# Altium PCB PCB1.PcbDoc
Units mm, origin at the board's own origin, x right, y up, seen from the top; angles counter-clockwise.
Board outline 143.29 x 161.1 mm, 2 copper layers (Top Layer, Bottom Layer); 137 components, 153 nets, 545 pads, 69 vias.
Unrouted connection lines stored in the file: 78.
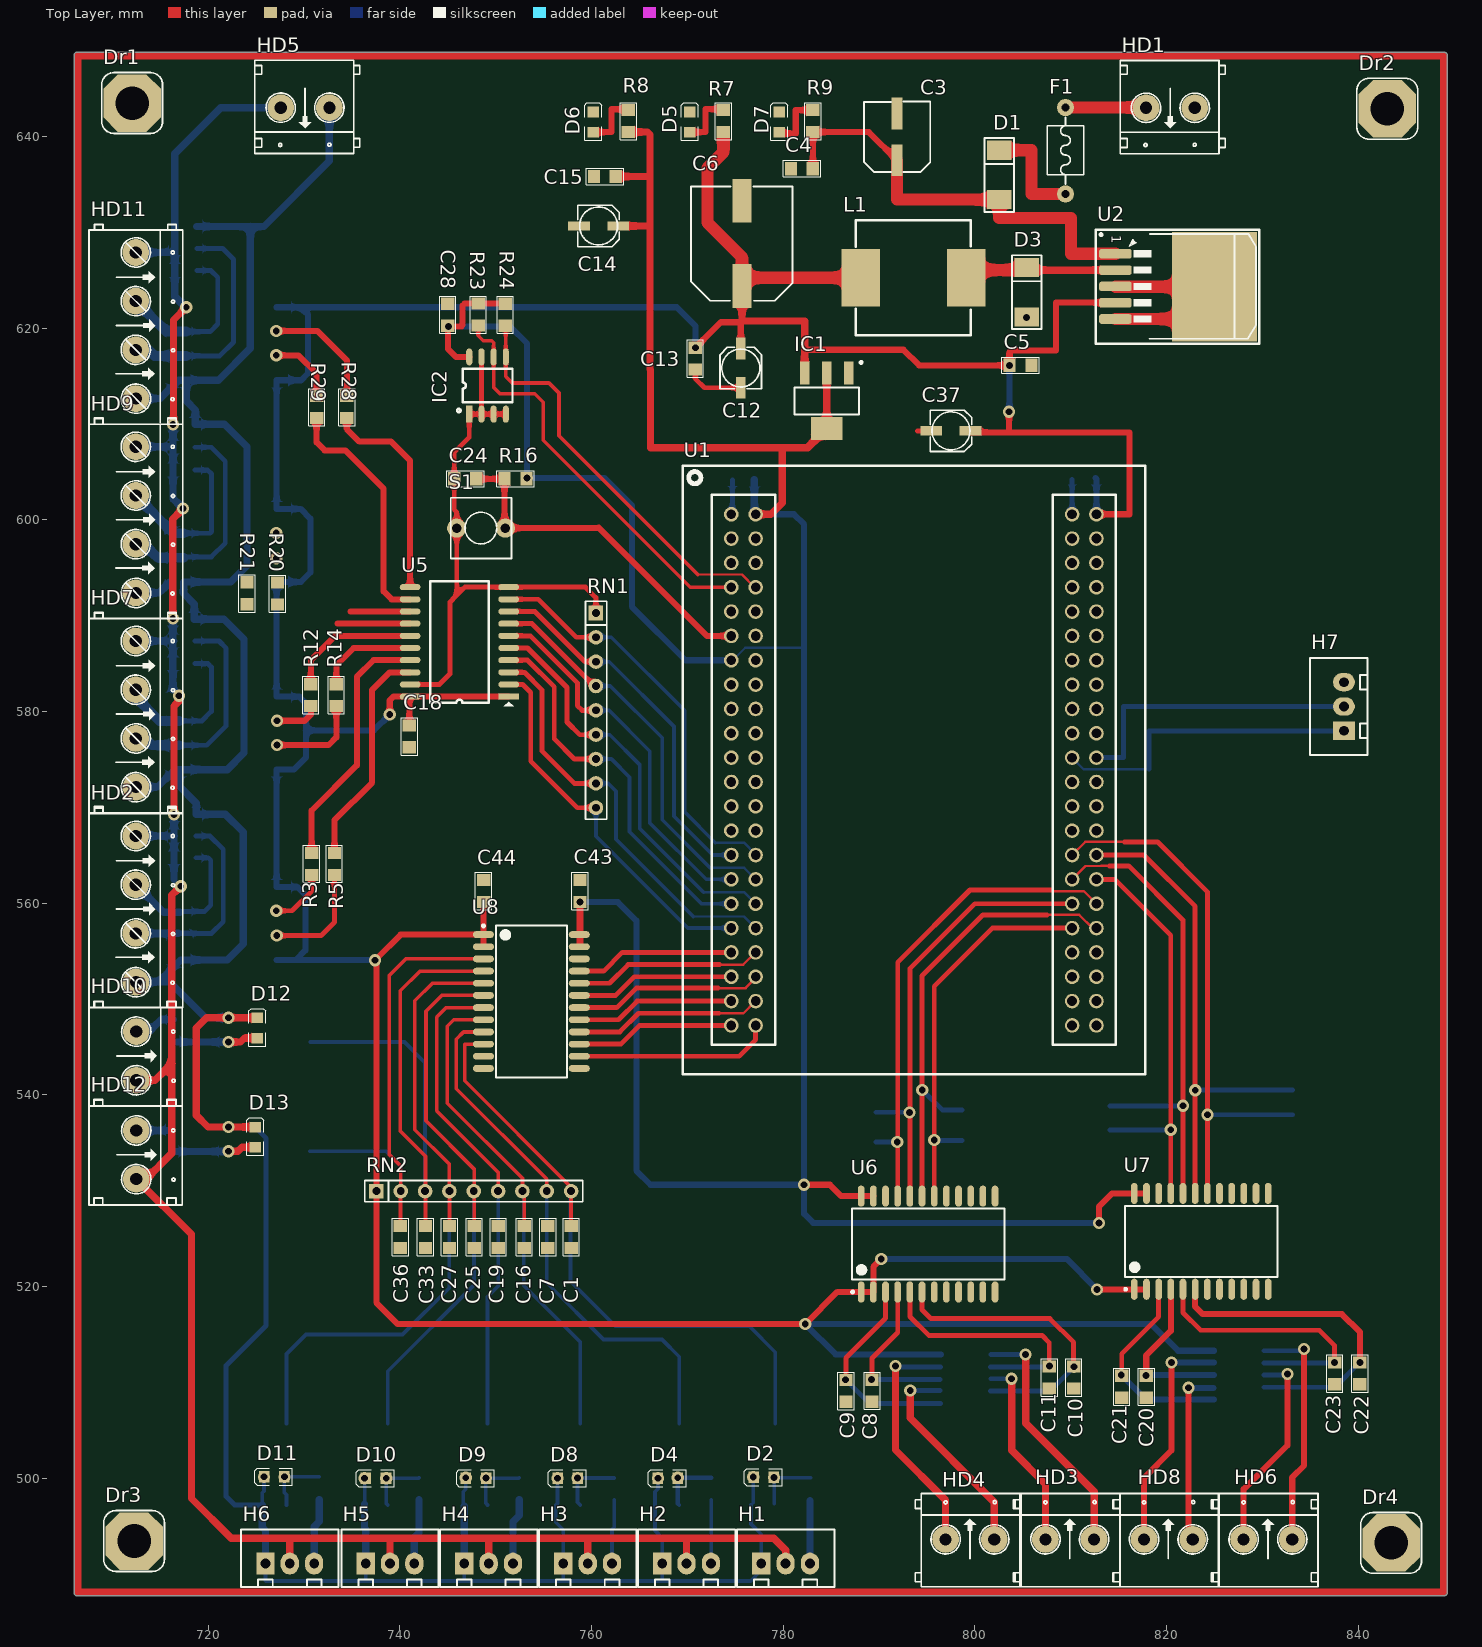
[diagram p0: Top Layer view]
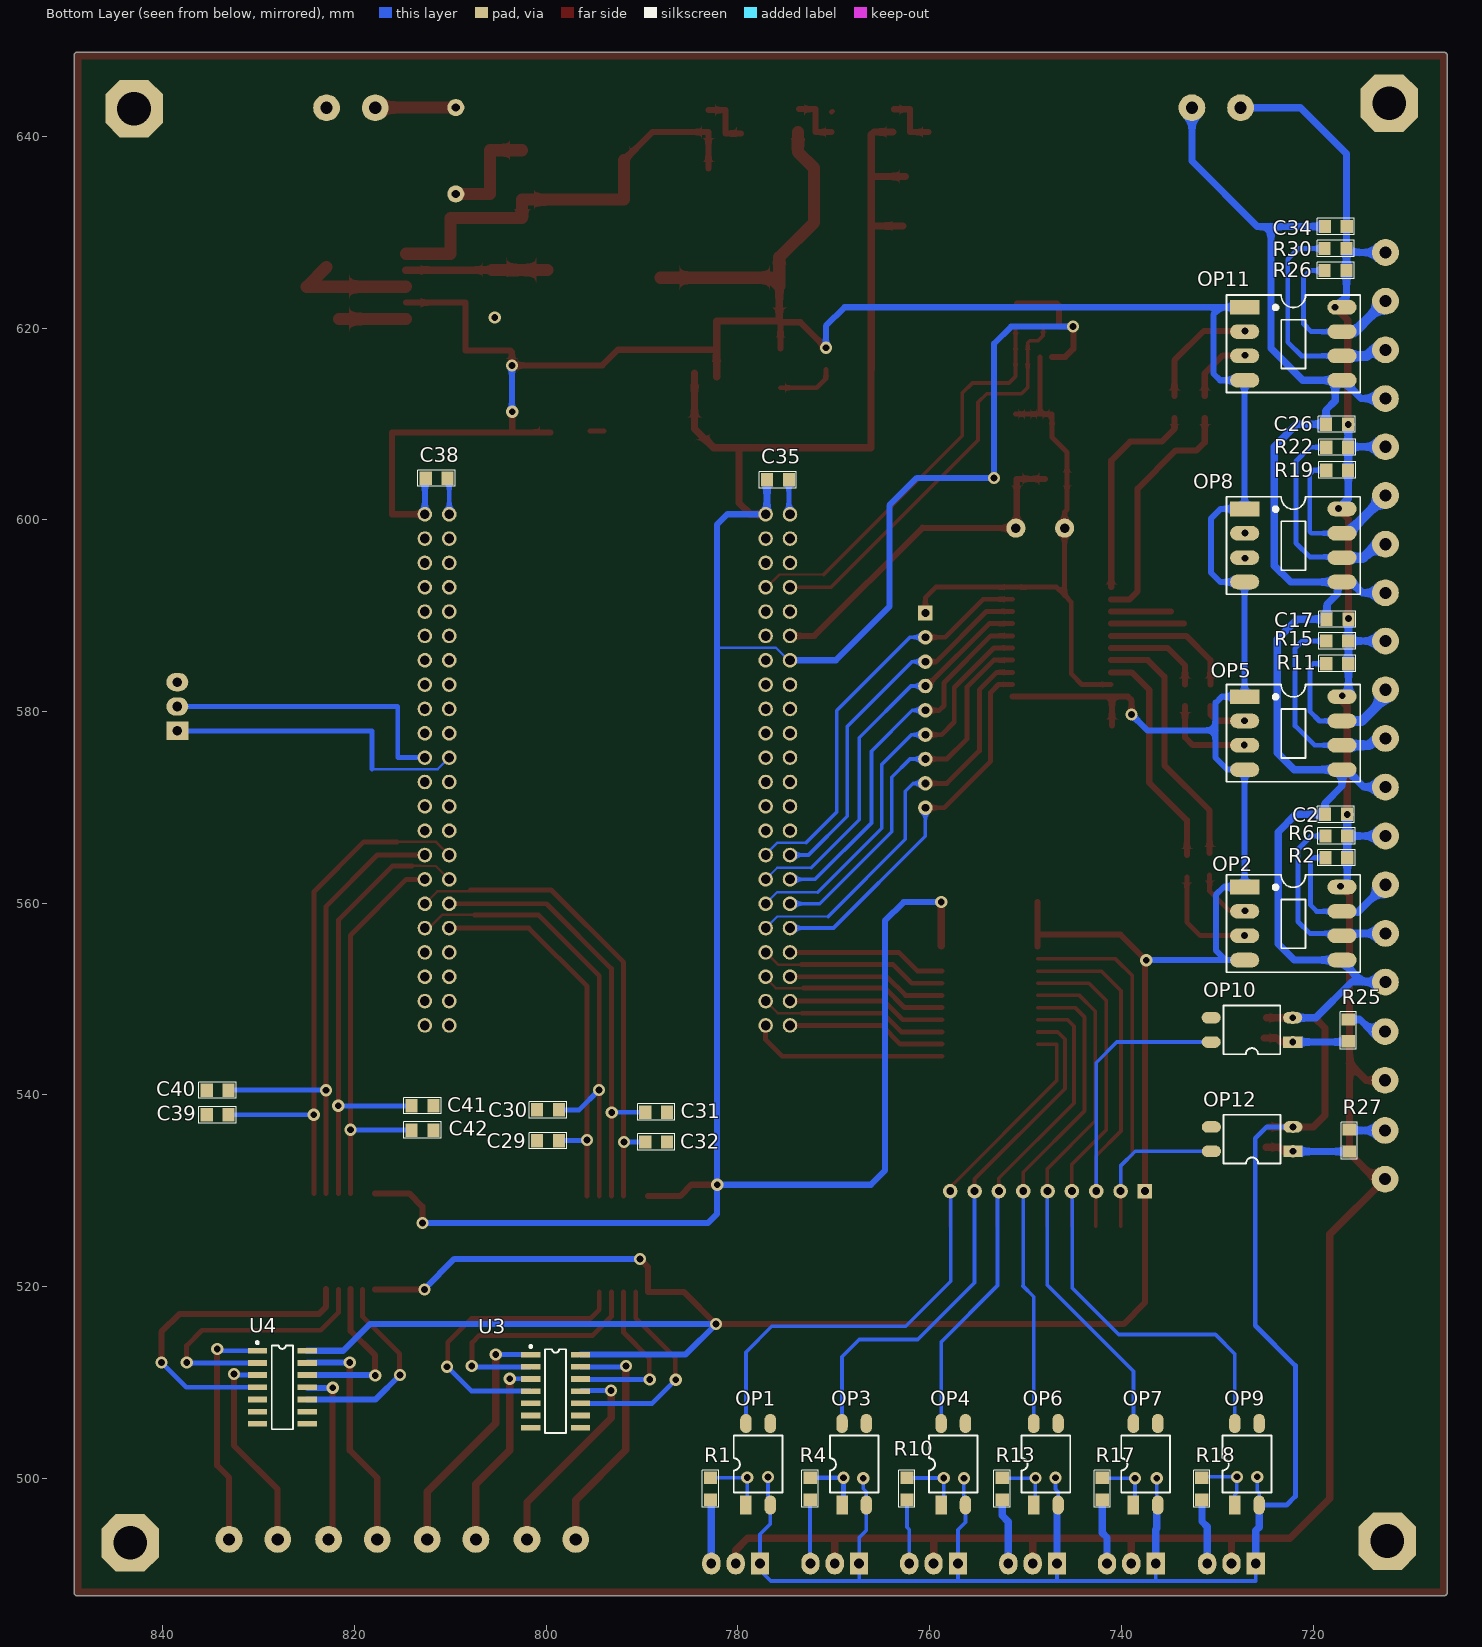
[diagram p1: Bottom Layer view, seen from below]
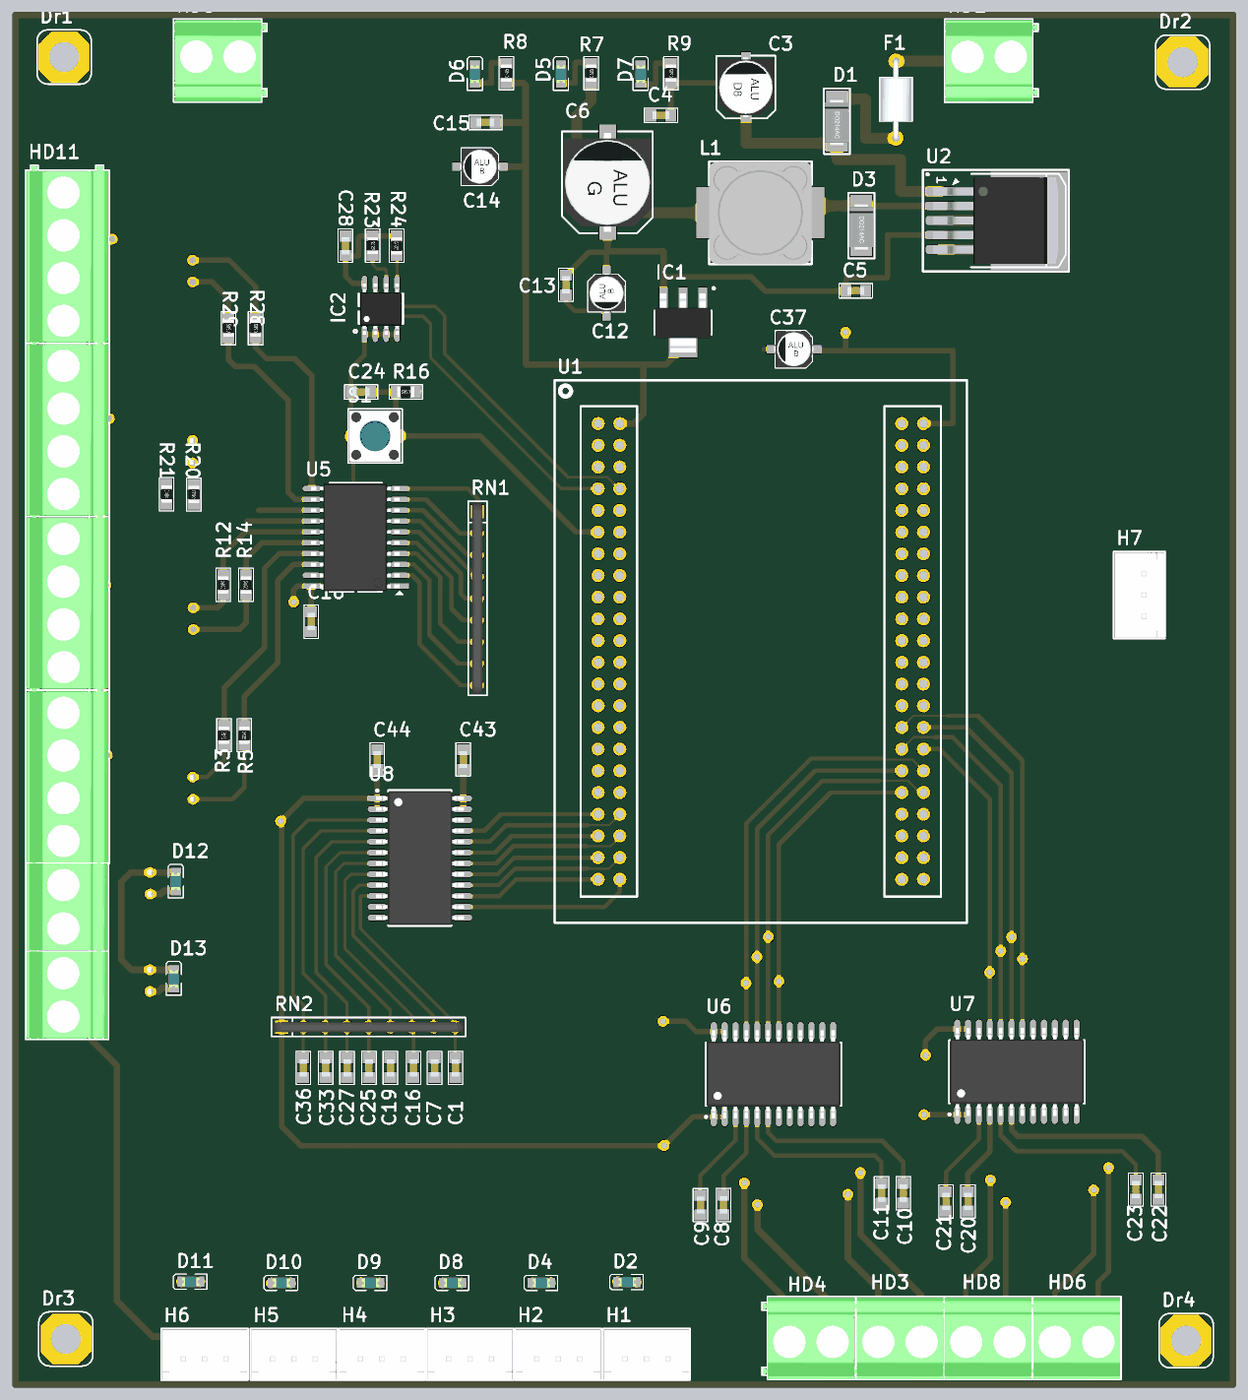
[diagram p2: 3D render of the assembled board from above, using the file's embedded part models]
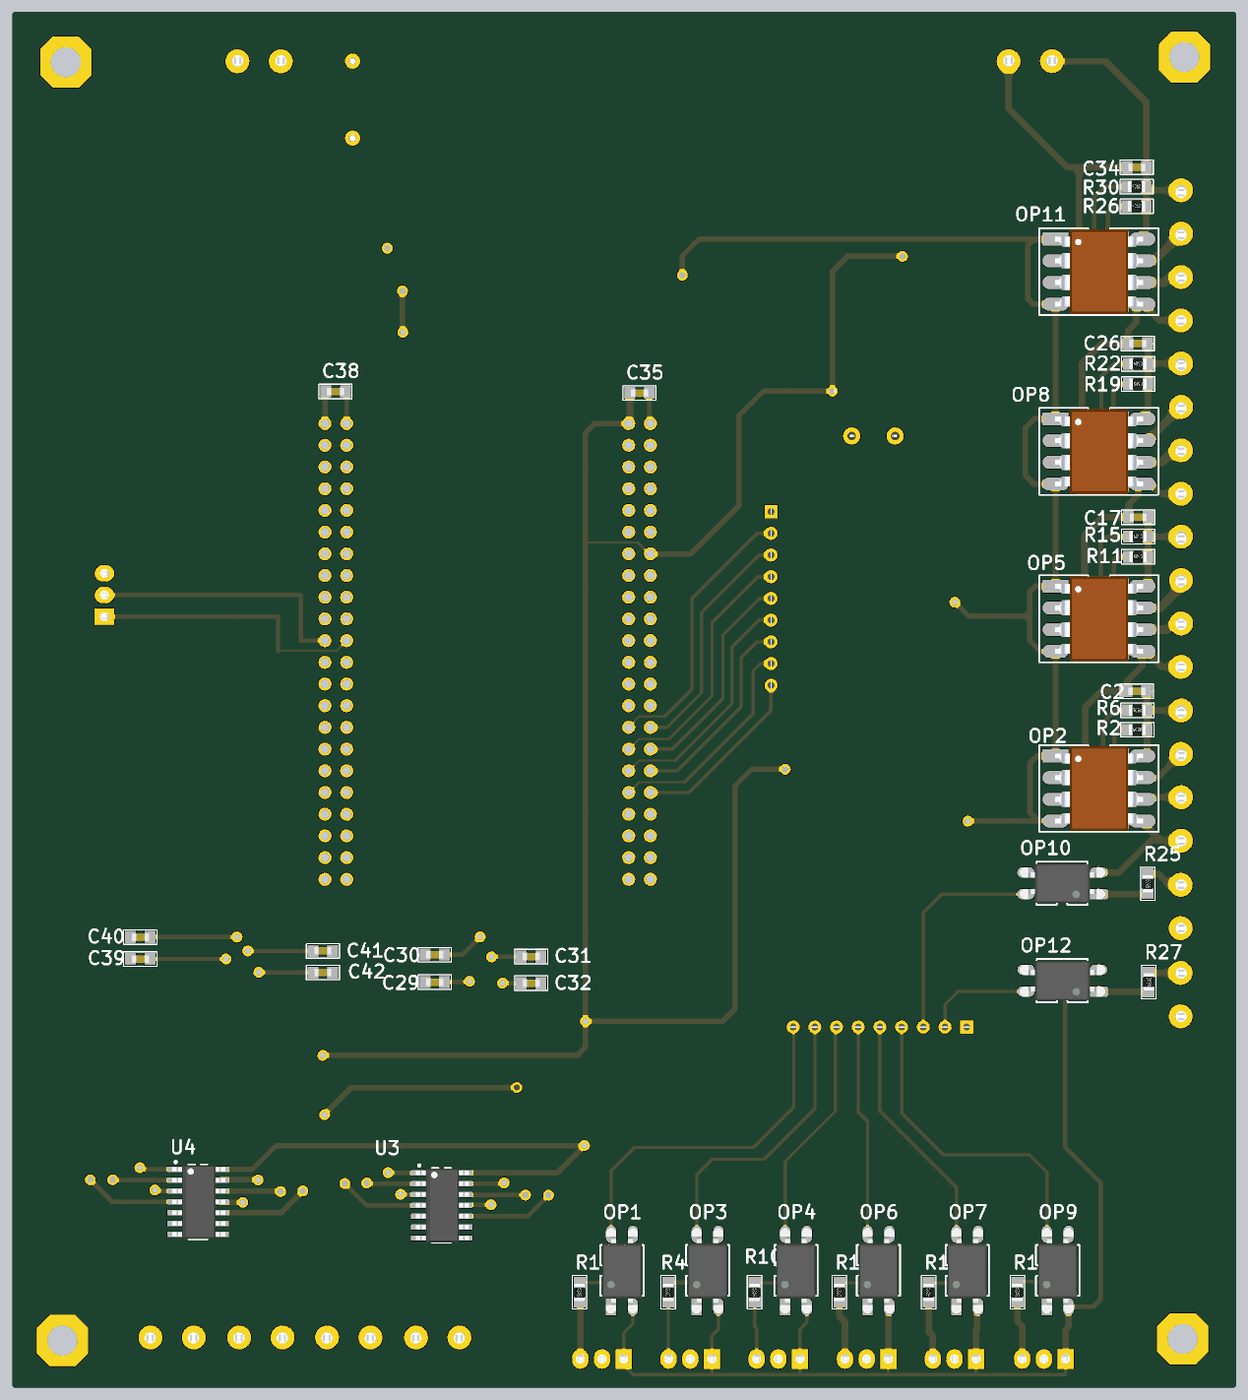
[diagram p3: 3D render of the assembled board from below, using the file's embedded part models]

## Layer stack, top to bottom
Top Solder: solder mask 0.0102, Solder Resist, Dk 3.5
Top Layer: signal copper 0.0356
Dielectric 1: dielectric 0.32, FR-4, Dk 4.8
Bottom Layer: signal copper 0.0356
Bottom Solder: solder mask 0.0102, Solder Resist, Dk 3.5

## Board outline
705.991,488.098 ccw(c706.373,488.098) 706.373,487.717 848.897,487.717 ccw(c848.897,488.098) 849.278,488.098 849.278,648.433 ccw(c848.897,648.433) 848.897,648.814 706.373,648.814 ccw(c706.373,648.433) 705.991,648.433

## Design rules (kind name [scope] priority, off if disabled: settings)
Clearance [All] p1: gap=0.254
PolygonConnect [All] p1: connectstyle=Relief reliefconductorwidth=0.254 reliefentries=4 polygonreliefangle="90 Angle" airgapwidth=0.254
RoomDefinition Main_Board [InComponentClass('Main_Board')] p1: confinementstyle=ConfineIn formatcopy=TRUE lockcomponents=FALSE outline 0,0 50.8,0 50.8,25.4 0,25.4
RoutingVias [All] p1: holewidth=0.711 width=1.27 viastyle="Through Hole" minholewidth=0.711 minwidth=1.27 maxholewidth=0.711 maxwidth=1.27
SolderMaskExpansion [All] p1: expansion=0.102
Width [All] p1: maxlimit=2.54 minlimit=0.254 preferedwidth=0.254
30 further rules are at their usual default settings.

## Components (designator, comment, footprint, x,y, rotation, side; value= is the part's Value field where it differs from the comment)
C1 "104" CAP-SM-0805 757.854,524.041 r90 top
C2 "104" CAP-SM-0805 718.753,569.274 r180 bottom
C3 "100uF/35V" Cap_Alu_D8 791.878,636.661 r90 top
C4 "104" CAP-SM-0805 783.073,636.652 r180 top
C5 "104" CAP-SM-0805 805.881,616.116 r180 top
C6 "1000uF/10V" Cap_Alu_G 775.693,632.882 r270 top
C7 "104" CAP-SM-0805 755.419,524.041 r90 top
C8 "102" CAP-SM-0805 789.257,507.99 r90 top
C9 "102" CAP-SM-0805 786.539,507.98 r90 top
C10 "102" CAP-SM-0805 810.286,509.375 r90 top
C11 "102" CAP-SM-0805 807.746,509.375 r90 top
C12 "10uF/16V" CAP_ALU_B 775.561,617.9 r270 top
C13 "104" CAP-SM-0805 770.828,617.963 r270 top
C14 "10uF/16V" CAP_ALU_B 762.78,630.666 r180 top
C15 "104" CAP-SM-0805 762.521,635.821 r180 top
C16 "104" CAP-SM-0805 752.958,524.041 r90 top
C17 "104" CAP-SM-0805 718.593,589.637 r180 bottom
C18 "104" CAP-SM-0805 740.976,576.27 r90 top
C19 "104" CAP-SM-0805 750.243,524.041 r90 top
C20 "102" CAP-SM-0805 817.87,508.408 r90 top
C21 "102" CAP-SM-0805 815.306,508.408 r90 top
C22 "102" CAP-SM-0805 840.16,509.799 r90 top
C23 "102" CAP-SM-0805 837.524,509.799 r90 top
C24 "104" CAP-SM-0805 747.957,604.275 r180 top
C25 "104" CAP-SM-0805 747.736,524.041 r90 top
C26 "104" CAP-SM-0805 718.649,609.982 r180 bottom
C27 "104" CAP-SM-0805 745.168,524.041 r90 top
C28 "104" CAP-SM-0805 744.995,622.543 r270 top
C29 "102" CAP-SM-0805 800.954,535.228 r180 bottom
C30 "102" CAP-SM-0805 800.954,538.434 r180 bottom
C31 "102" CAP-SM-0805 787.397,538.194 r0 bottom
C32 "102" CAP-SM-0805 787.397,535.084 r0 bottom
C33 "104" CAP-SM-0805 742.66,524.041 r90 top
C34 "104" CAP-SM-0805 718.765,630.611 r180 bottom
C35 "104" CAP-SM-0805 776.977,604.174 r180 bottom
C36 "104" CAP-SM-0805 740.049,524.041 r90 top
C37 "10uF/16V" CAP_ALU_B 799.547,609.29 r180 top
C38 "104" CAP-SM-0805 812.58,604.358 r180 bottom
C39 "102" CAP-SM-0805 835.435,537.929 r180 bottom
C40 "102" CAP-SM-0805 835.435,540.498 r180 bottom
C41 "102" CAP-SM-0805 811.783,538.851 r0 bottom
C42 "102" CAP-SM-0805 811.783,536.325 r0 bottom
C43 "104" CAP-SM-0805 758.791,562.41 r270 top
C44 "104" CAP-SM-0805 748.73,562.406 r270 top
D1 "1N4007" DO-214AB 802.404,635.954 r270 top
D2 "LED" LED_0805_Blue 777.967,500.107 r180 top
D3 "ss34" DO-214AB 805.275,623.723 r270 top
D4 "LED" LED_0805_Blue 767.941,500.012 r180 top
D5 "LED" LED_0805_Blue 770.228,641.507 r90 top
D6 "LED" LED_0805_Blue 760.148,641.507 r90 top
D7 "LED" LED_0805_Blue 779.559,641.507 r90 top
D8 "LED" LED_0805_Blue 757.518,500.012 r180 top
D9 "LED" LED_0805_Blue 747.935,500.012 r180 top
D10 "LED" LED_0805_Blue 737.492,500.012 r180 top
D11 "LED" LED_0805_Blue 726.872,500.142 r180 top
D12 "LED" LED_0805_Blue 725.121,546.981 r90 top
D13 "LED" LED_0805_Blue 724.895,535.595 r90 top
Dr1 "Drill" "Drill 3mm" 712.056,643.493 r0 top
Dr2 "Drill" "Drill 3mm" 843.02,642.897 r0 top
Dr3 "Drill" "Drill 3mm" 712.254,493.451 r0 top
Dr4 "Drill" "Drill 3mm" 843.417,493.252 r0 top
F1 "Ferrite" Ferrite 809.442,643.021 r270 top
H1 "IN 1" "Header White 3" 777.699,491.102 r0 top
H2 "IN 2" "Header White 3" 767.362,491.102 r0 top
H3 "IN 3" "Header White 3" 757.048,491.102 r0 top
H4 "IN 4" "Header White 3" 746.714,491.102 r0 top
H5 "IN 5" "Header White 3" 736.423,491.102 r0 top
H6 "IN 6" "Header White 3" 725.963,491.102 r0 top
H7 "PC" "Header White 3" 838.498,577.987 r90 top
HD1 "24V IN" "Domino 2" 822.928,642.995 r180 top
HD2 "PWM 1" "Domino 4" 712.436,567.012 r270 top
HD3 "ENC 1" "Domino 2" 807.349,493.623 r0 top
HD4 "ENC 2" "Domino 2" 796.932,493.623 r0 top
HD5 "5V IN" "Domino 2" 732.635,643.007 r180 top
HD6 "ENC 3" "Domino 2" 828.027,493.623 r0 top
HD7 "PWM 2" "Domino 4" 712.436,587.356 r270 top
HD8 "ENC 4" "Domino 2" 817.638,493.623 r0 top
HD9 "PWM 3" "Domino 4" 712.436,607.623 r270 top
HD10 "IN 7" "Domino 2" 712.486,546.607 r270 top
HD11 "PWM 4" "Domino 4" 712.436,627.899 r270 top
HD12 "IN 8" "Domino 2" 712.486,536.288 r270 top
IC1 "LM1117-3V3" SOT223-4N 784.528,612.411 r270 top
IC2 "24Cxx" SOIC8 747.233,611.032 r90 top
L1 "100uH" INDUCTOR_SMD 799.077,625.256 r180 top
OP1 "PC817" "SOP4 2.54" 779.17,497.205 r90 bottom
OP2 "HCPL2631" 6N137SMD 727.133,561.691 r270 bottom
OP3 "PC817" "SOP4 2.54" 769.147,497.205 r90 bottom
OP4 "PC817" "SOP4 2.54" 758.805,497.205 r90 bottom
OP5 "HCPL2631" 6N137SMD 727.133,581.557 r270 bottom
OP6 "PC817" "SOP4 2.54" 749.14,497.205 r90 bottom
OP7 "PC817" "SOP4 2.54" 738.737,497.205 r90 bottom
OP8 "HCPL2631" 6N137SMD 727.133,601.138 r270 bottom
OP9 "PC817" "SOP4 2.54" 728.157,497.205 r90 bottom
OP10 "PC817" "SOP4 2.54" 722.123,545.513 r0 bottom
OP11 "HCPL2631" 6N137SMD 727.133,622.186 r270 bottom
OP12 "PC817" "SOP4 2.54" 722.104,534.116 r0 bottom
R1 "1k" RES-SM-0805 782.871,500.046 r270 bottom
R2 "4.7k" RES-SM-0805 716.422,564.739 r0 bottom
R3 "1k" RES-SM-0805 730.786,565.241 r270 top
R4 "1k" RES-SM-0805 772.479,500.046 r270 bottom
R5 "1k" RES-SM-0805 733.165,565.241 r270 top
R6 "4.7k" RES-SM-0805 716.422,567.012 r0 bottom
R7 "470" RES-SM-0805 773.752,640.466 r90 top
R8 "330" RES-SM-0805 763.826,640.466 r90 top
R9 "22k" RES-SM-0805 783.082,640.466 r90 top
R10 "10k" RES-SM-0805 762.369,500.046 r270 bottom
R11 "4.7k" RES-SM-0805 716.333,584.994 r0 bottom
R12 "1k" RES-SM-0805 730.696,582.847 r270 top
R13 "1k" RES-SM-0805 752.44,500.046 r270 bottom
R14 "1k" RES-SM-0805 733.36,582.847 r270 top
R15 "4.7k" RES-SM-0805 716.333,587.356 r0 bottom
R16 "10k" RES-SM-0805 753.195,604.275 r180 top
R17 "1k" RES-SM-0805 741.985,500.046 r270 bottom
R18 "1k" RES-SM-0805 731.592,500.046 r270 bottom
R19 "4.7k" RES-SM-0805 716.335,605.195 r0 bottom
R20 "1k" RES-SM-0805 727.225,591.166 r90 top
R21 "1k" RES-SM-0805 724.037,591.196 r90 top
R22 "4.7k" RES-SM-0805 716.335,607.57 r0 bottom
R23 "4.7k" RES-SM-0805 748.164,620.282 r90 top
R24 "4.7k" RES-SM-0805 750.994,622.543 r270 top
R25 "1k" RES-SM-0805 716.341,545.589 r90 bottom
R26 "4.7k" RES-SM-0805 716.504,626.015 r0 bottom
R27 "1k" RES-SM-0805 716.232,534.092 r90 bottom
R28 "1k" RES-SM-0805 734.458,610.623 r90 top
R29 "1k" RES-SM-0805 731.299,610.623 r90 top
R30 "4.7k" RES-SM-0805 716.504,628.313 r0 bottom
RN1 "10K" RN8 760.448,590.285 r270 top
RN2 "10K" RN8 737.539,529.957 r0 top
S1 "Reset" SW2 745.921,599.139 r0 top
U1 "STM_CPLD_Board" STM_CPLD_Board 774.573,600.588 r0 top
U2 "LM2596 - 5V" TO263 814.653,627.76 r270 top
U3 "74HC14" SO14-150mil 799.025,509.087 r270 bottom
U4 "74HC14" SO14-150mil 827.551,509.491 r270 bottom
U5 "74HCT245" soic20 751.343,581.55 r180 top
U6 "74LCV4245" "SOIC24 - wide" 795.108,524.438 r90 top
U7 "74LCV4245" "SOIC24 - wide" 823.606,524.72 r90 top
U8 "74LCV4245" "SOIC24 - wide" 753.71,549.744 r0 top

## Footprints (in the part's own frame and the unit in brackets; to place one, negate y for a bottom-side part, rotate by r counter-clockwise, add the part's x,y. Pads: shape width x height; smd on the part's side, far side on the other; paste and mask are expansions set on the pad)
6N137SMD [mil] "8 PIN, W 400mil, Pin to pin 100mil"
  rect 60x120 smd: 1(0,0)
  oval 60x120 smd: 2(100,0) 3(200,0) 4(300,0) 5(300,400) 6(200,400) 7(100,400) 8(0,400)
  silkscreen extent -50,-75 350,475, body extent -45,-3 345,403, height 200
CAP-SM-0805 [mil]
  rect 50x55 smd: 1(0,0) 2(90,0)
  silkscreen extent -32,-34 121,33, body extent 6,-18 84,17, height 47
CAP_ALU_B [mil] "10uF -> 22uF"
  rect 90x38 smd: 1(0,0) 2(162,0)
  silkscreen extent -4,-85 166,85, body extent -10,-85 172,85, height 213
Cap_Alu_D8 [mil] "100uF -> 220uF"
  rect 130x45 smd: 1(34,0) 2(226,0)
  silkscreen extent -14,-136 275,136, body extent -8,-130 268,130, height 303
Cap_Alu_G [mil]
  rect 180x78 smd: 1(334,0) 2(-16,0)
  silkscreen extent -75,-210 394,208, body extent -68,-204 388,202, height 402
DO-214AB [mm]
  rect 2x2.54 smd: 1(-2.616,0.127) 2(2.54,0.127)
  silkscreen extent -3.89,-1.4 3.81,1.65, body extent -2.62,-1.27 2.87,1.52, height 2.36
"Domino 2" [mil] "Domino 2, 2 pin, hight 300mil, Pin to Pin 200, Colour Green"
  round 110 hole 50: 1(0,0) 2(200,0)
  silkscreen extent -125,-194 306,189, body extent -121,-190 301,184, height 591
"Domino 4" [mil] "Domino 4, 4 pin, height 300mil, Pin to Pin 200, Colour Green"
  round 110 hole 50: 1(0,0) 2(200,0) 3(400,0.06) 4(600,0.39)
  silkscreen extent -115,-193 706,193, body extent -110,-187 700,187, height 591
"Drill 3mm" [mm]
  oct 6x6 hole 3.5: 1(0,0)
  silkscreen extent -3.17,-3.17 3.17,3.17
Ferrite [mil] "Ferrite Bead RH3.5x6x0.8"
  round 70 hole 33.46: 1(0,0) 2(355,0)
  silkscreen extent 39,-75 314,75, body extent -12,-71 368,71, height 150
"Header White 3" [mil] "JST Connector"
  rect 75x90 hole 40: 1(0,0)
  oval 75x90 hole 40: 2(100,0) 3(200,0)
  silkscreen extent -100,-97 300,140, body extent -95,-93 295,134, height 276